# KiCad board gopher_jump_sw.kicad_pcb
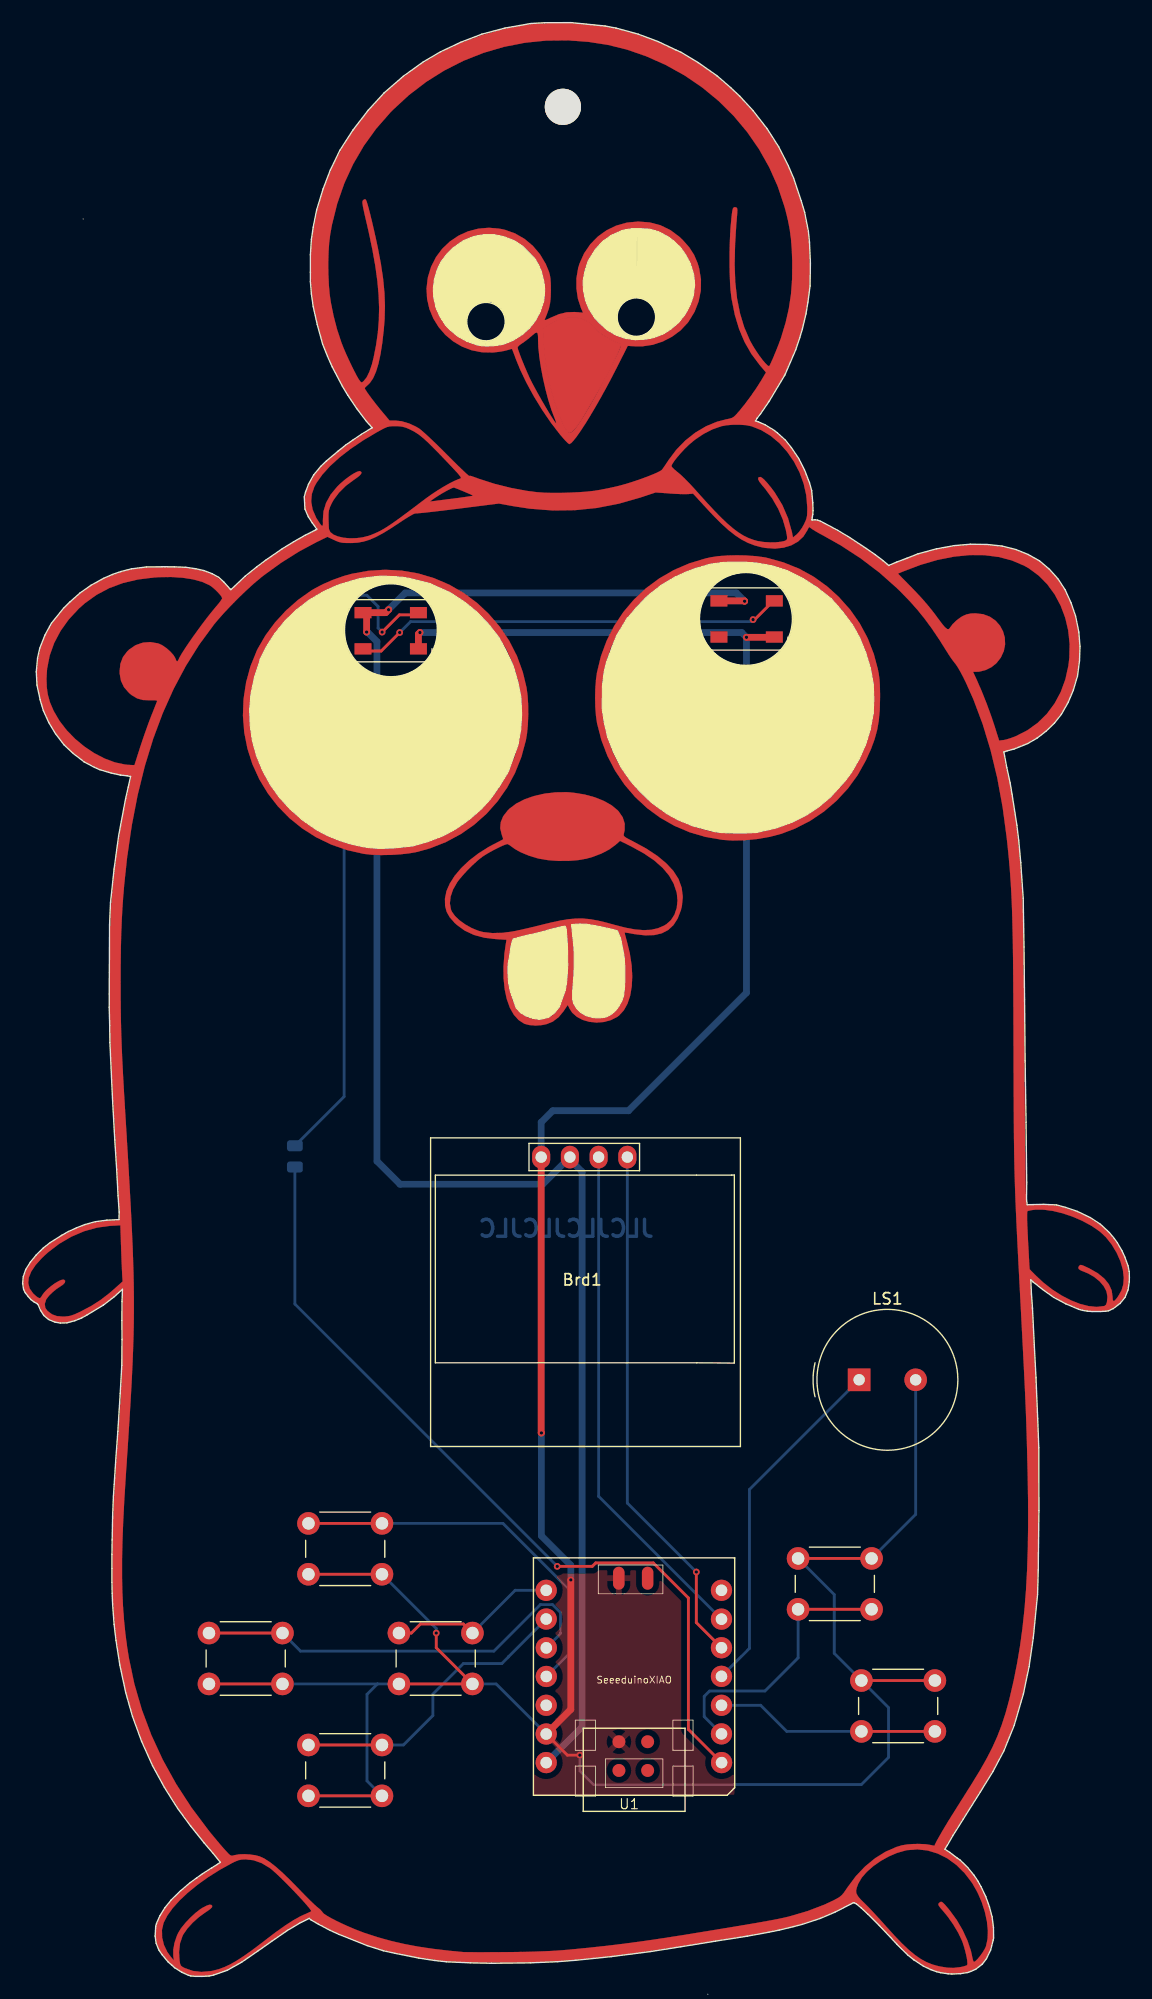
[diagram p0: board, top side]
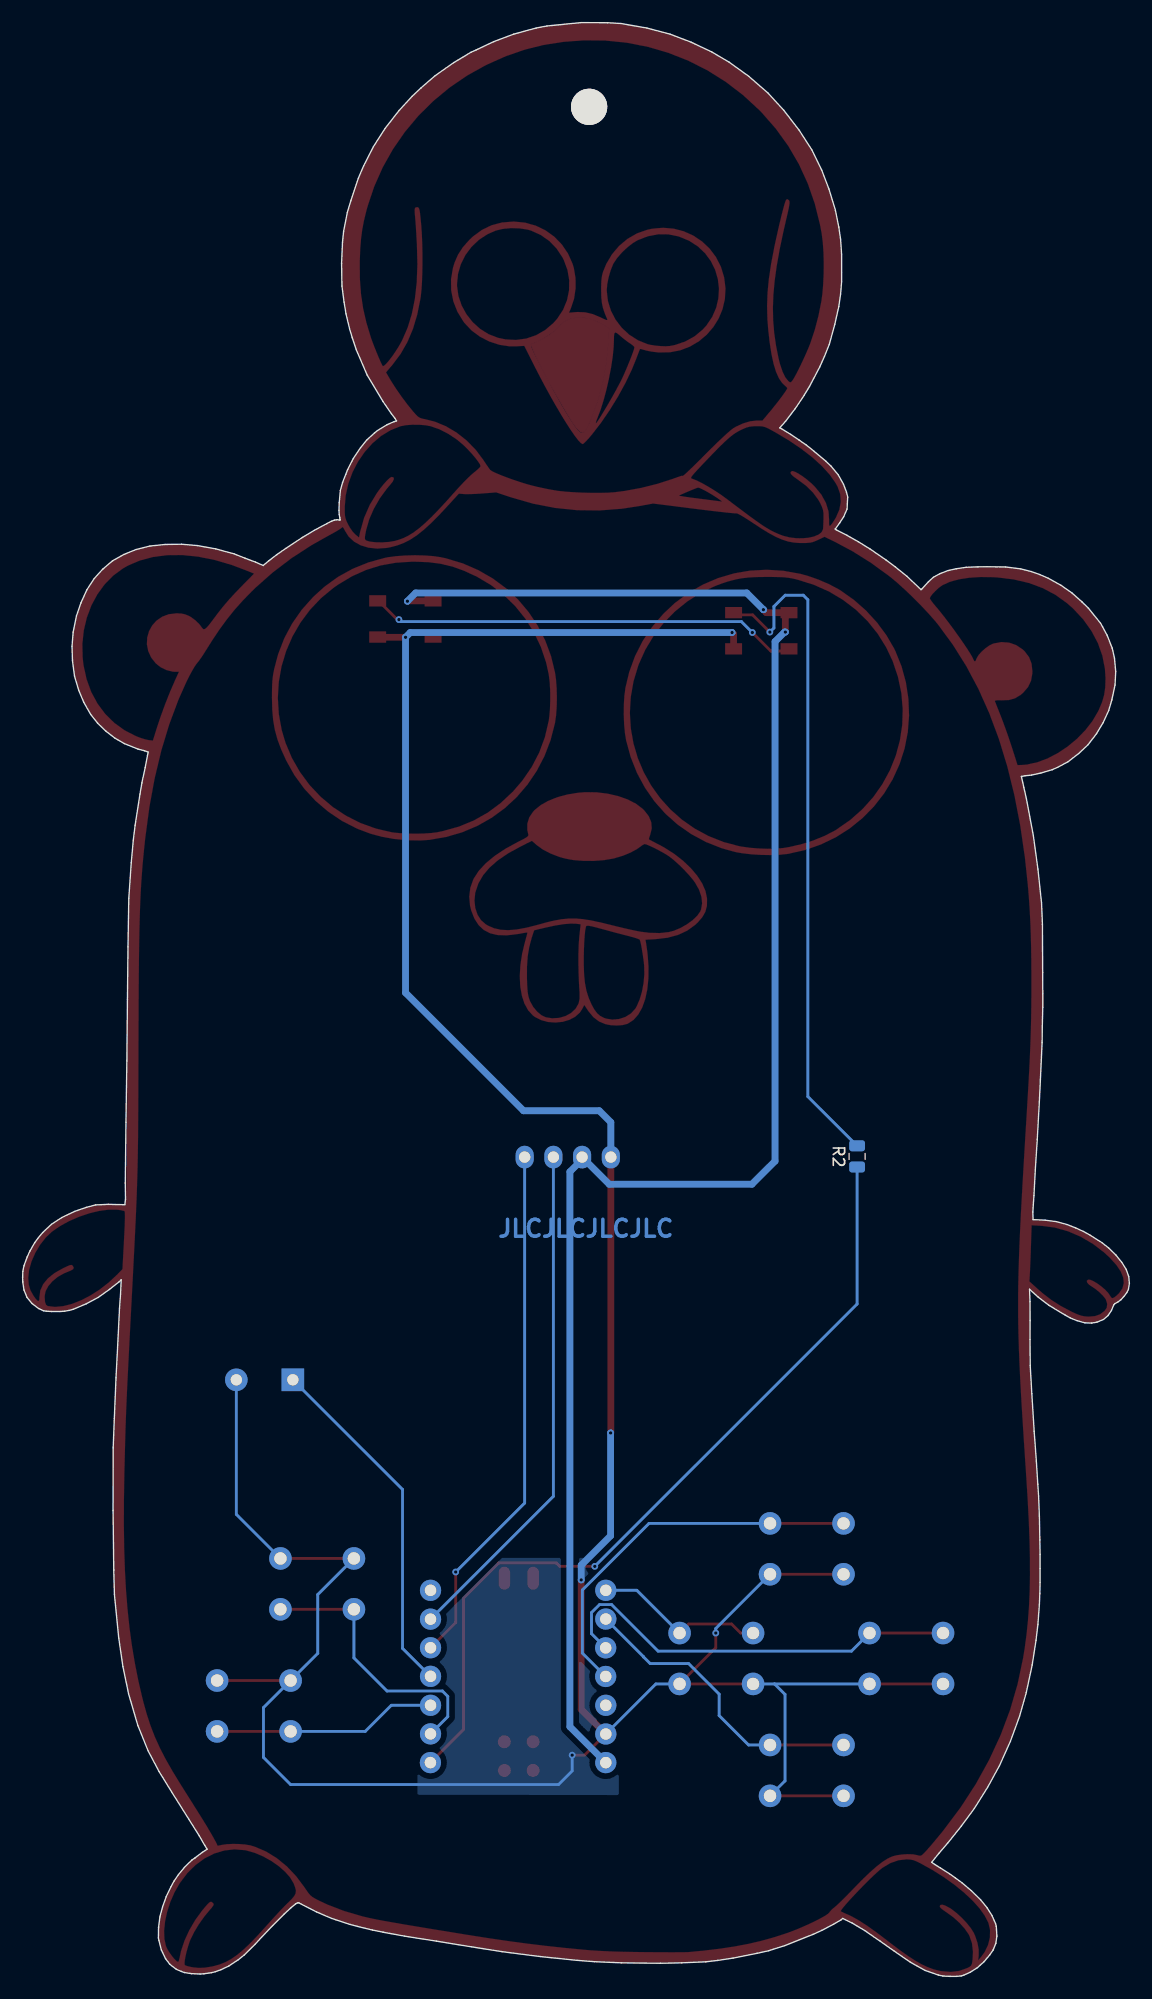
[diagram p1: board, bottom side, seen from below]

Outline 97.88 x 172.82 mm; copper layers: Top, Bottom. Coordinates in mm from the lower left corner of the outline.

## Placement (name value [footprint] x y rotation side)
Brd1  SSD1306  [128x64OLED]  49.48 61.87 0 top
D1  WS2812B  [LED_WS2812B_PLCC4_5.0x5.0mm_P3.2mm]  32.55 119.03 0 top
D2  WS2812B  [LED_WS2812B_PLCC4_5.0x5.0mm_P3.2mm]  64.03 120.07 0 top
G***  LOGO  [gopher_bird]  48.58 82.47 0 top
LS1  Speaker  [Buzzer_TDK_PS1240P02BT_D12.2mm_H6.5mm]  73.98 52.77 0 top
R2  330  [R_0805_2012Metric]  24.08 72.53 90 bottom
REF**  -  [MountingHole_3.2mm_M3]  47.78 165.37 0 top
SW1  SW_Push  [SW_PUSH_6mm_H4.3mm]  25.28 40.07 0 top
SW2  SW_Push  [SW_PUSH_6mm_H4.3mm]  16.48 30.37 0 top
SW3  SW_Push  [SW_PUSH_6mm_H4.3mm]  25.28 20.47 0 top
SW4  SW_Push  [SW_PUSH_6mm_H4.3mm]  33.28 30.37 0 top
SW5  SW_Push  [SW_PUSH_6mm_H4.3mm]  68.58 36.97 0 top
SW6  SW_Push  [SW_PUSH_6mm_H4.3mm]  74.18 26.17 0 top
U1  SeeeduinoXIAO  [Seeeduino XIAO-MOUDLE14P-2.54-21X17.8MM_PinSocket]  62.97 37.02 180 top

## Library data of the parts
Brd1 = -: ki_fp_filters: SSD1306-128x64_OLED:SSD1306
D1 D2 = -: Datasheet: https://cdn-shop.adafruit.com/datasheets/WS2812B.pdf; ki_fp_filters: LED*WS2812*PLCC*5.0x5.0mm*P3.2mm*
R2 = -: ki_fp_filters: R_*
SW1-SW6 = -: Description: Push button switch, generic, two pins

## Footprints (pads in the part's own frame, mm; a bottom-side part is the same pattern mirrored in y, then rotated)
128x64OLED
  oval 1.6x2 hole 1: 1(-3.62,10.6) 2(-1.08,10.6) 3(1.46,10.6) 4(4,10.6)
Buzzer_TDK_PS1240P02BT_D12.2mm_H6.5mm
  rect 2x2 hole 1: 1(0,0)
  round 2 hole 1: 2(5,0)
LED_WS2812B_PLCC4_5.0x5.0mm_P3.2mm
  rect 1.5x1 smd: 1(-2.45,1.6) 2(-2.45,-1.6) 3(2.45,-1.6) 4(2.45,1.6)
MountingHole_3.2mm_M3
  round 3.2 hole 3.2 unplated: (0,0)
R_0805_2012Metric
  rrect 0.975x1.4 smd: 1(-0.938,0) 2(0.938,0)
Seeeduino XIAO-MOUDLE14P-2.54-21X17.8MM_PinSocket
  round 1.88 hole 1.016: 1(1.16,18.11) 2(1.17,15.57) 3(1.17,13.04) 4(1.17,10.48) 5(1.17,7.95) 6(1.17,5.42) 7(1.17,2.87) 8(16.67,2.87) 9(16.67,5.41) 10(16.66,7.96) 11(16.66,10.49) 12(16.67,13.04) 13(16.67,15.58) 14(16.67,18.11)
  oval 1.016x2.032 smd: 15(7.7,1.8) 16(10.25,1.8)
  round 1.143 smd: 17(7.699,18.804) 18(10.239,18.804) 19(7.699,16.264) 20(10.239,16.264)
SW_PUSH_6mm_H4.3mm
  round 2 hole 1.1: 1(0,0) 1(6.5,0) 2(0,-4.5) 2(6.5,-4.5)

## Nets
GND: Brd1.1 D1.3 D2.3 LS1.2 SW1.2 SW2.2 SW3.2 SW4.2 SW5.1 SW6.1 U1.13 U1.16 U1.20
VCC: Brd1.2 D1.1 D2.1 U1.14 U1.15
/PA02: R2.1 U1.1
Net-(Brd1-SCL): Brd1.3 U1.6
Net-(Brd1-SDA): Brd1.4 U1.5
Net-(D1-DIN): D1.4 R2.2
Net-(D1-DOUT): D1.2 D2.4
Net-(U1-PA4_A1_D1): SW5.2 U1.2
Net-(U1-PA5_A9_D9_MISO): SW2.1 U1.10
Net-(U1-PA6_A10_D10_MOSI): SW1.1 U1.11
Net-(U1-PA7_A8_D8_SCK): SW3.1 U1.9
Net-(U1-PA10_A2_D2): SW6.2 U1.3
Net-(U1-PA11_A3_D3): LS1.1 U1.4
Net-(U1-PB09_A7_D7_RX): SW4.1 U1.8

Pads without a net: D2 2; U1 7 12 17 18 19

## Via types
v1: diameter 0.6, hole 0.3, Top to Bottom, 14 vias

## Routing (per net, layer and track width the routed paths; a pad name or vN(x,y) marks a point on that pad's centre or on a via; arc(x,y) is an arc through that point)
GND: length 297.5
  Top w0.2: 52.51,20.76 U1.20
  Top w0.25: v1(49.28,19.57) 48.17,19.57 U1.13 ; SW1.2 SW1.2 ; SW5.1 SW5.1 ; v1(36.58,30.37) 36.58,29.07 SW4.2 SW4.2 ; SW3.2 SW3.2 ; SW6.1 SW6.1 ; SW2.2 SW2.2
  Top w0.4: 52.72,20.77 U1.20
  Top w0.6: U1.13 48.48,23.62 v1(48.48,35.07) ; Brd1.1 45.86,48.09 v1(45.88,48.07) ; D2.3 66.46,118.45 v1(64.01,118.45) ; v1(35.14,118.87) 35,118.74 D1.3
  Bottom w0.25: SW4.2 41.88,25.87 U1.13 ; SW5.1 78.98,40.87 LS1.2 ; SW2.2 31.38,25.87 ; 31.38,25.87 SW4.2 ; 31.38,25.87 30.45,24.94 30.45,17.3 SW3.2 ; v1(49.28,19.57) 49.28,18.17 50.48,16.97 74.18,16.97 76.58,19.37 76.58,23.77 SW6.1 71.78,28.57 71.78,33.77 SW5.1 ; SW1.2 36.58,30.77 v1(36.58,30.37)
  Bottom w0.6: v1(48.48,35.07) 48.48,36.37 45.88,38.97 v1(45.88,48.07) ; Brd1.1 45.86,75.55 46.88,76.57 53.58,76.57 64.01,87 v1(64.01,118.45) 63.59,118.87 v1(35.14,118.87)
VCC: length 160.4
  Top w0.6: D2.1 63.82,121.67 v1(63.85,121.64) ; v1(32.37,120.89) 32.11,120.63 D1.1 30.42,120.31 v1(30.42,118.91)
  Bottom w0.6: v1(63.85,121.64) 63.12,122.37 33.84,122.37 32.37,120.9 v1(32.37,120.89) ; U1.14 49.48,22.09 49.48,71.17 48.4,72.25 Brd1.2 46,70.07 33.38,70.07 31.34,72.11 31.34,118.07 30.5,118.91 v1(30.42,118.91)
/PA02: length 73.7
  Top w0.25: v1(47.28,36.27) 50.38,36.27 50.68,36.57 55.78,36.57 58.88,33.47 58.88,21.84 U1.1
  Bottom w0.25: v1(47.28,36.27) 24.08,59.47 R2.1
Net-(Brd1-SCL): length 45.4
  Bottom w0.25: Brd1.3 50.94,42.47 U1.6
Net-(Brd1-SDA): length 46.9
  Top w0.25: U1.5 59.58,31.3 v1(59.58,35.77)
  Bottom w0.2: 61.78,29.05 U1.5
  Bottom w0.25: Brd1.4 53.48,41.87 v1(59.58,35.77)
Net-(D1-DIN): length 60.3
  Top w0.25: v1(31.8,118.91) 33.32,120.43 35.32,120.43
  Bottom w0.25: v1(31.8,118.91) 31.44,119.27 31.44,121.17 30.44,122.17 28.84,122.17 28.44,121.77 28.44,77.83 R2.2
Net-(D1-DOUT): length 37.8
  Top w0.25: v1(64.6,120.01) 64.74,120.01 66.37,121.64 ; 30.42,117.23 31.71,117.23 v1(33.35,118.87)
  Bottom w0.25: v1(33.35,118.87) 34.31,119.84 64.42,119.84 v1(64.6,120.01)
Net-(U1-PA4_A1_D1): length 24.5
  Top w0.25: SW5.2 SW5.2
  Bottom w0.25: SW5.2 68.58,28.17 65.65,25.24 60.75,25.24 60.28,24.77 60.28,22.97 U1.2
Net-(U1-PA5_A9_D9_MISO): length 37.4
  Top w0.25: SW2.1 SW2.1
  Bottom w0.25: SW2.1 24.58,28.77 41.68,28.77 45.79,32.89 46.86,32.89 47.57,32.18 47.57,30.31 U1.10
Net-(U1-PA6_A10_D10_MOSI): length 34
  Top w0.25: SW1.1 SW1.1
  Bottom w0.25: SW1.1 42.48,40.07 48.38,34.17 48.38,28.59 U1.11
Net-(U1-PA7_A8_D8_SCK): length 26.8
  Top w0.25: SW3.1 SW3.1
  Bottom w0.25: U1.9 42.96,28.27 42.96,28.25 42.38,27.67 38.98,27.67 36.28,24.97 36.28,23.07 33.68,20.47 SW3.1
Net-(U1-PA10_A2_D2): length 19.8
  Top w0.25: SW6.2 SW6.2
  Bottom w0.25: U1.3 65.27,23.98 67.58,21.67 SW6.2
Net-(U1-PA11_A3_D3): length 31.3
  Bottom w0.25: U1.4 64.28,29.02 64.28,43.07 LS1.1
Net-(U1-PB09_A7_D7_RX): length 15.3
  Top w0.25: SW4.1 34.38,30.37 35.18,31.17 38.98,31.17 SW4.1
  Bottom w0.25: U1.8 43.56,34.15 SW4.1

## Copper pours and planes (outline as drawn; the poured copper is in the pictures)
GND on Top: 62.97,37 62.95,16.06 45.16,16.03 45.16,37.03
GND on Bottom: 62.97,37.02 62.97,16.07 45.16,16.04 45.16,37.02

## Text on the board
Bottom: JLCJLCJLCJLC
